# Altium PCB PCB_Amplifier_mini.PcbDoc (part 1 of 2)
Units mm, origin at the board's own origin, x right, y up, seen from the top; angles counter-clockwise.
Board outline 75.73 x 87.25 mm, 4 copper layers (Top Layer, GND, VDD, Bottom Layer); 213 components, 159 nets, 674 pads, 328 vias.
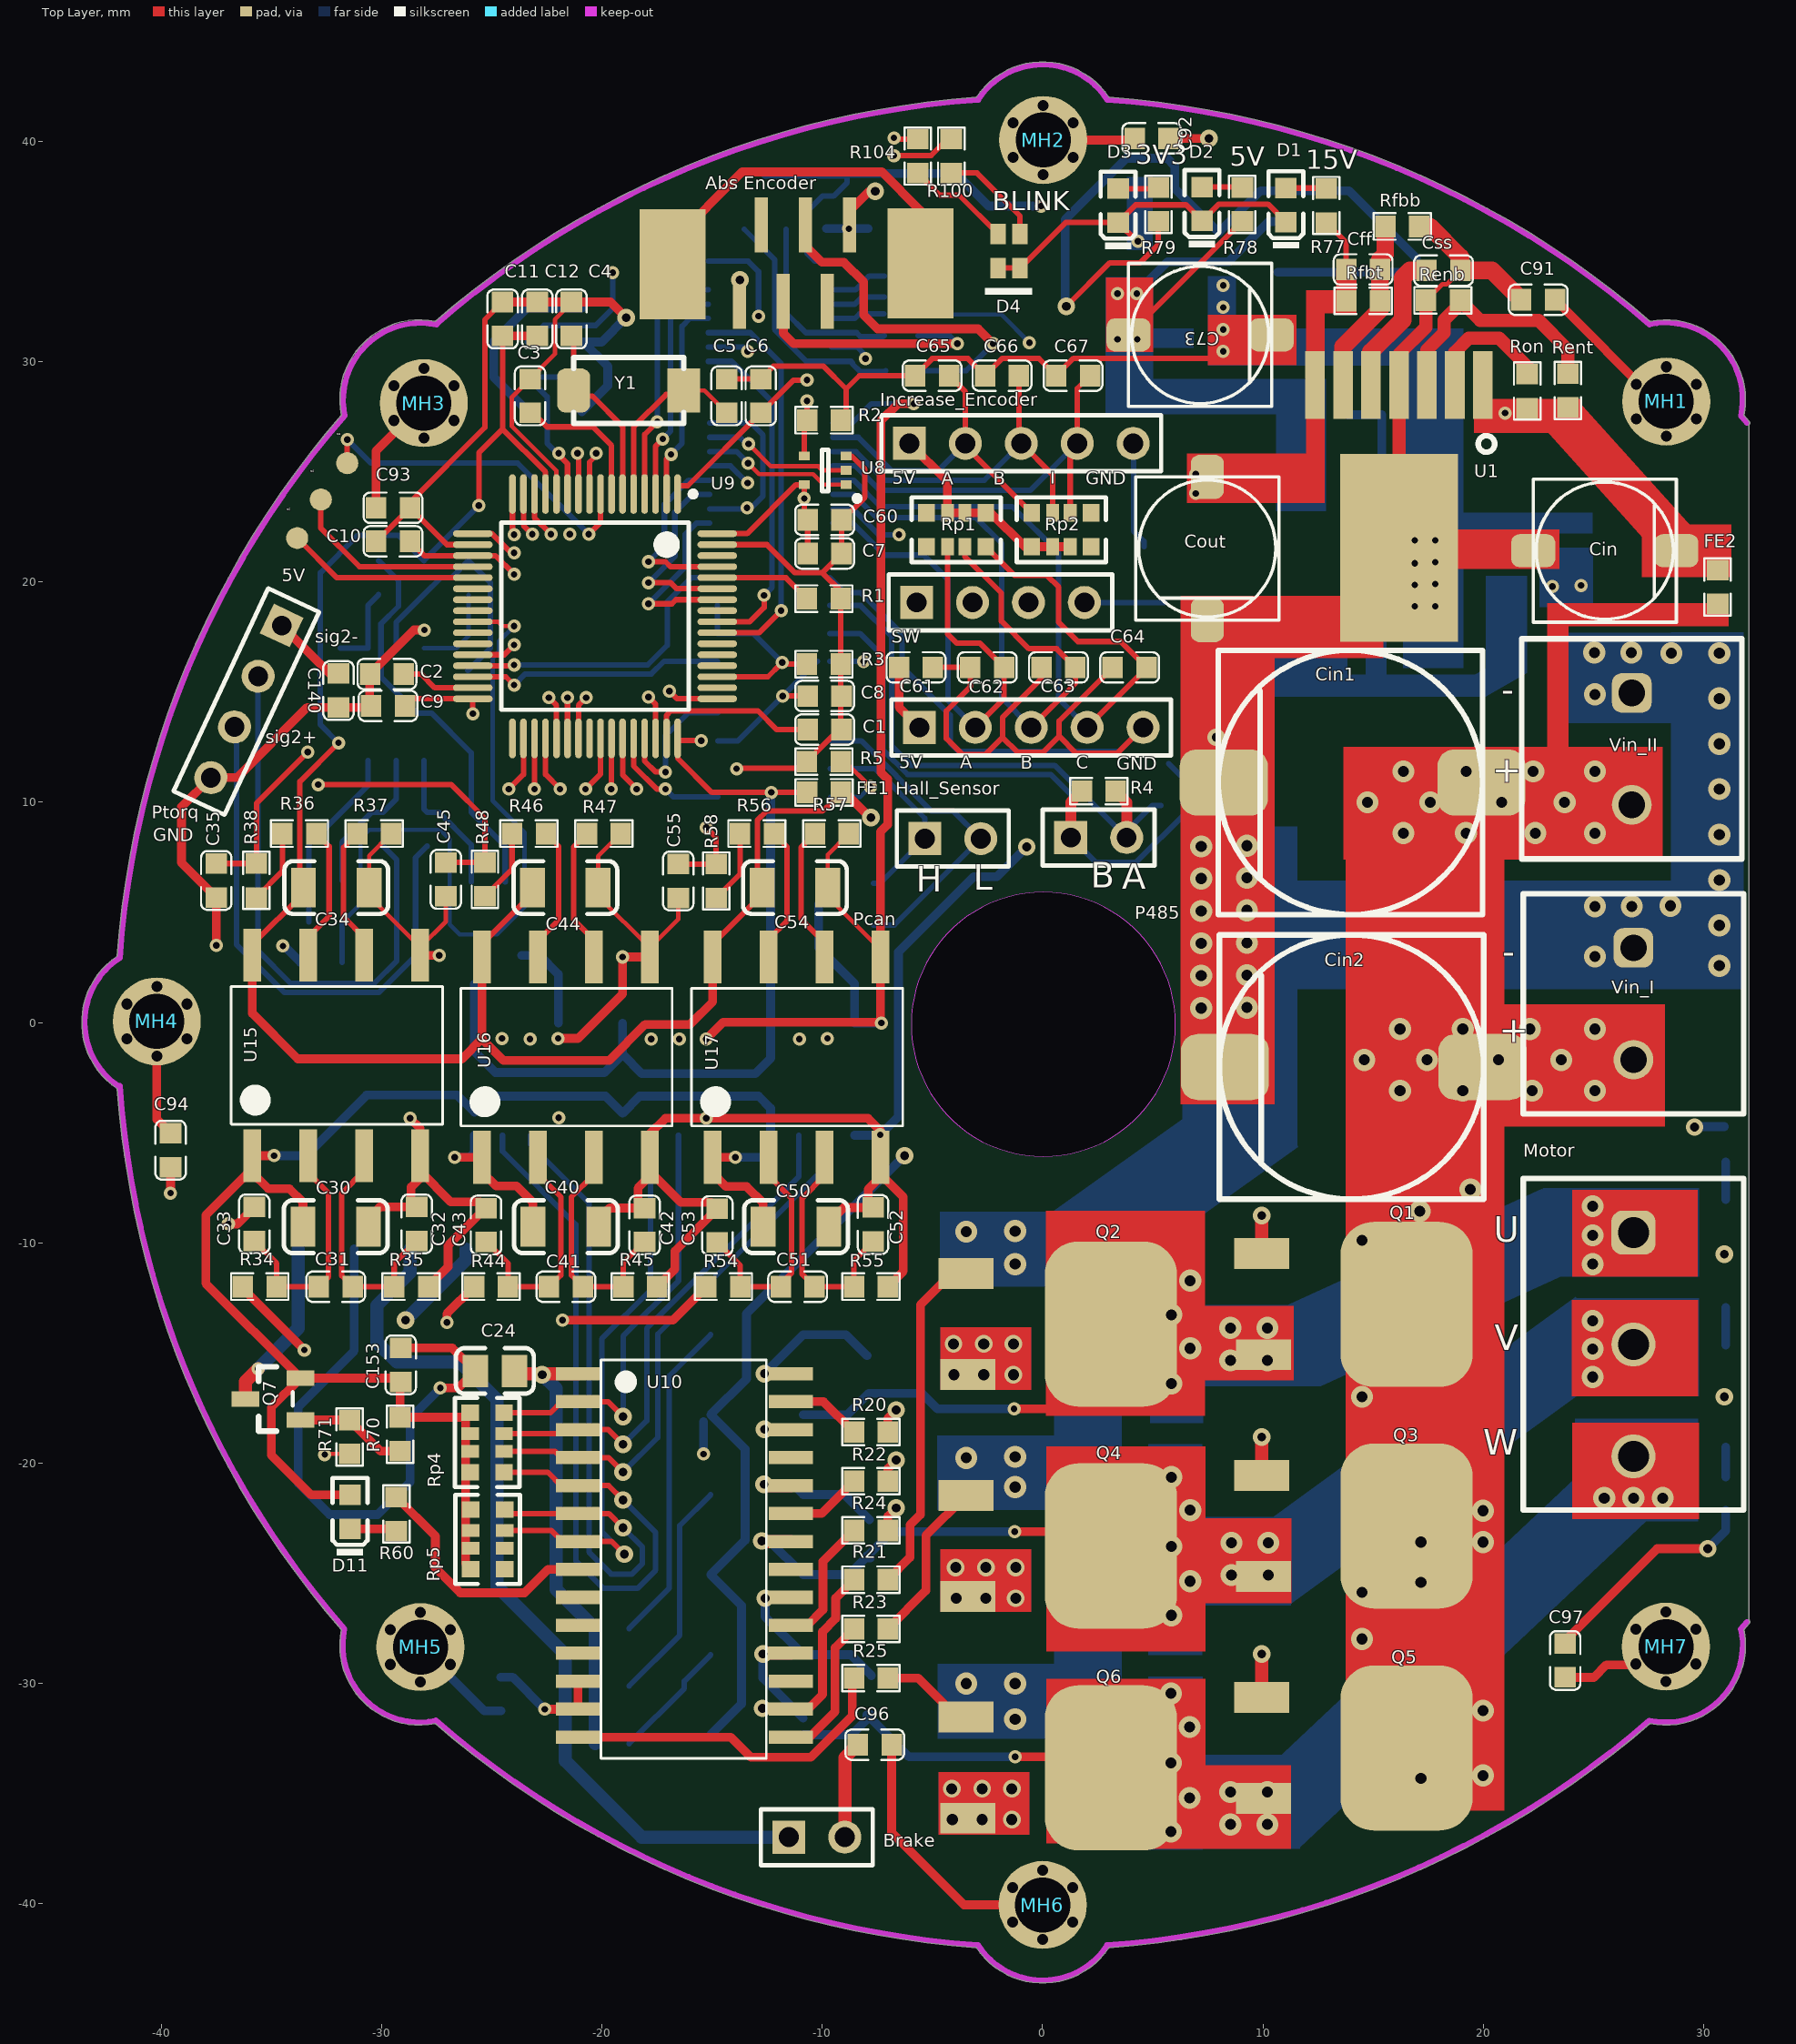
[diagram p0: Top Layer view]
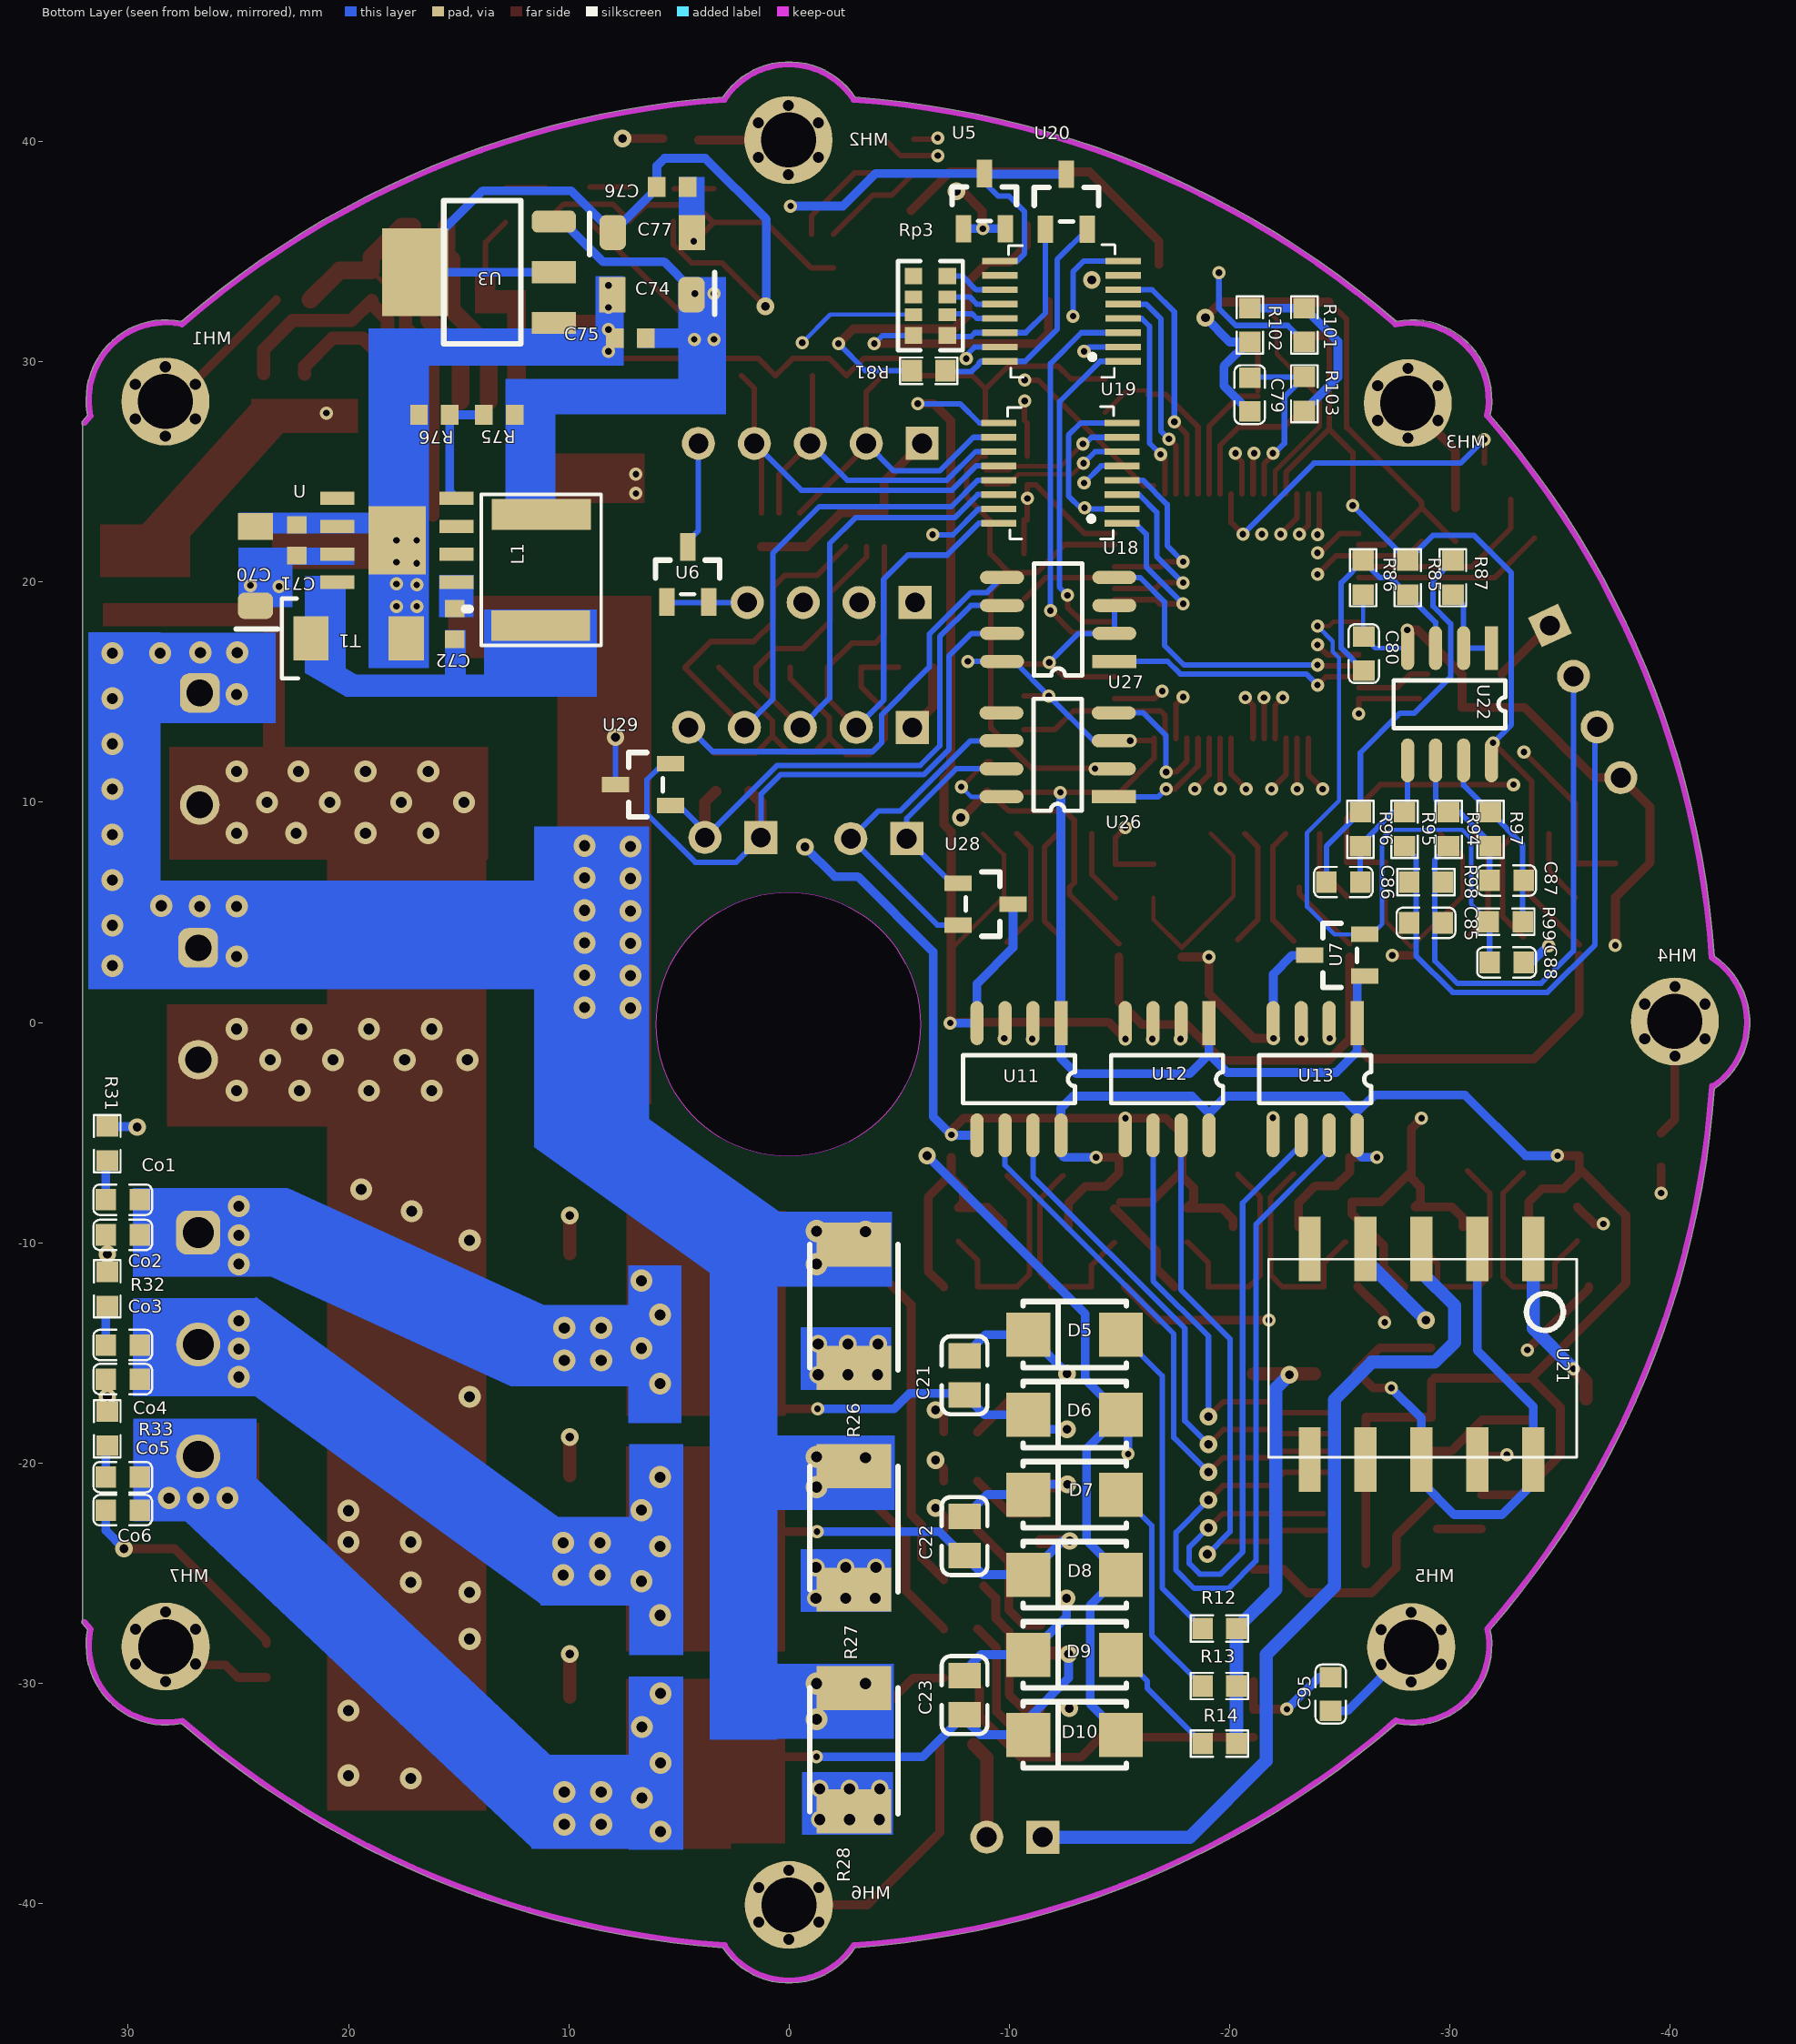
[diagram p1: Bottom Layer view, seen from below]
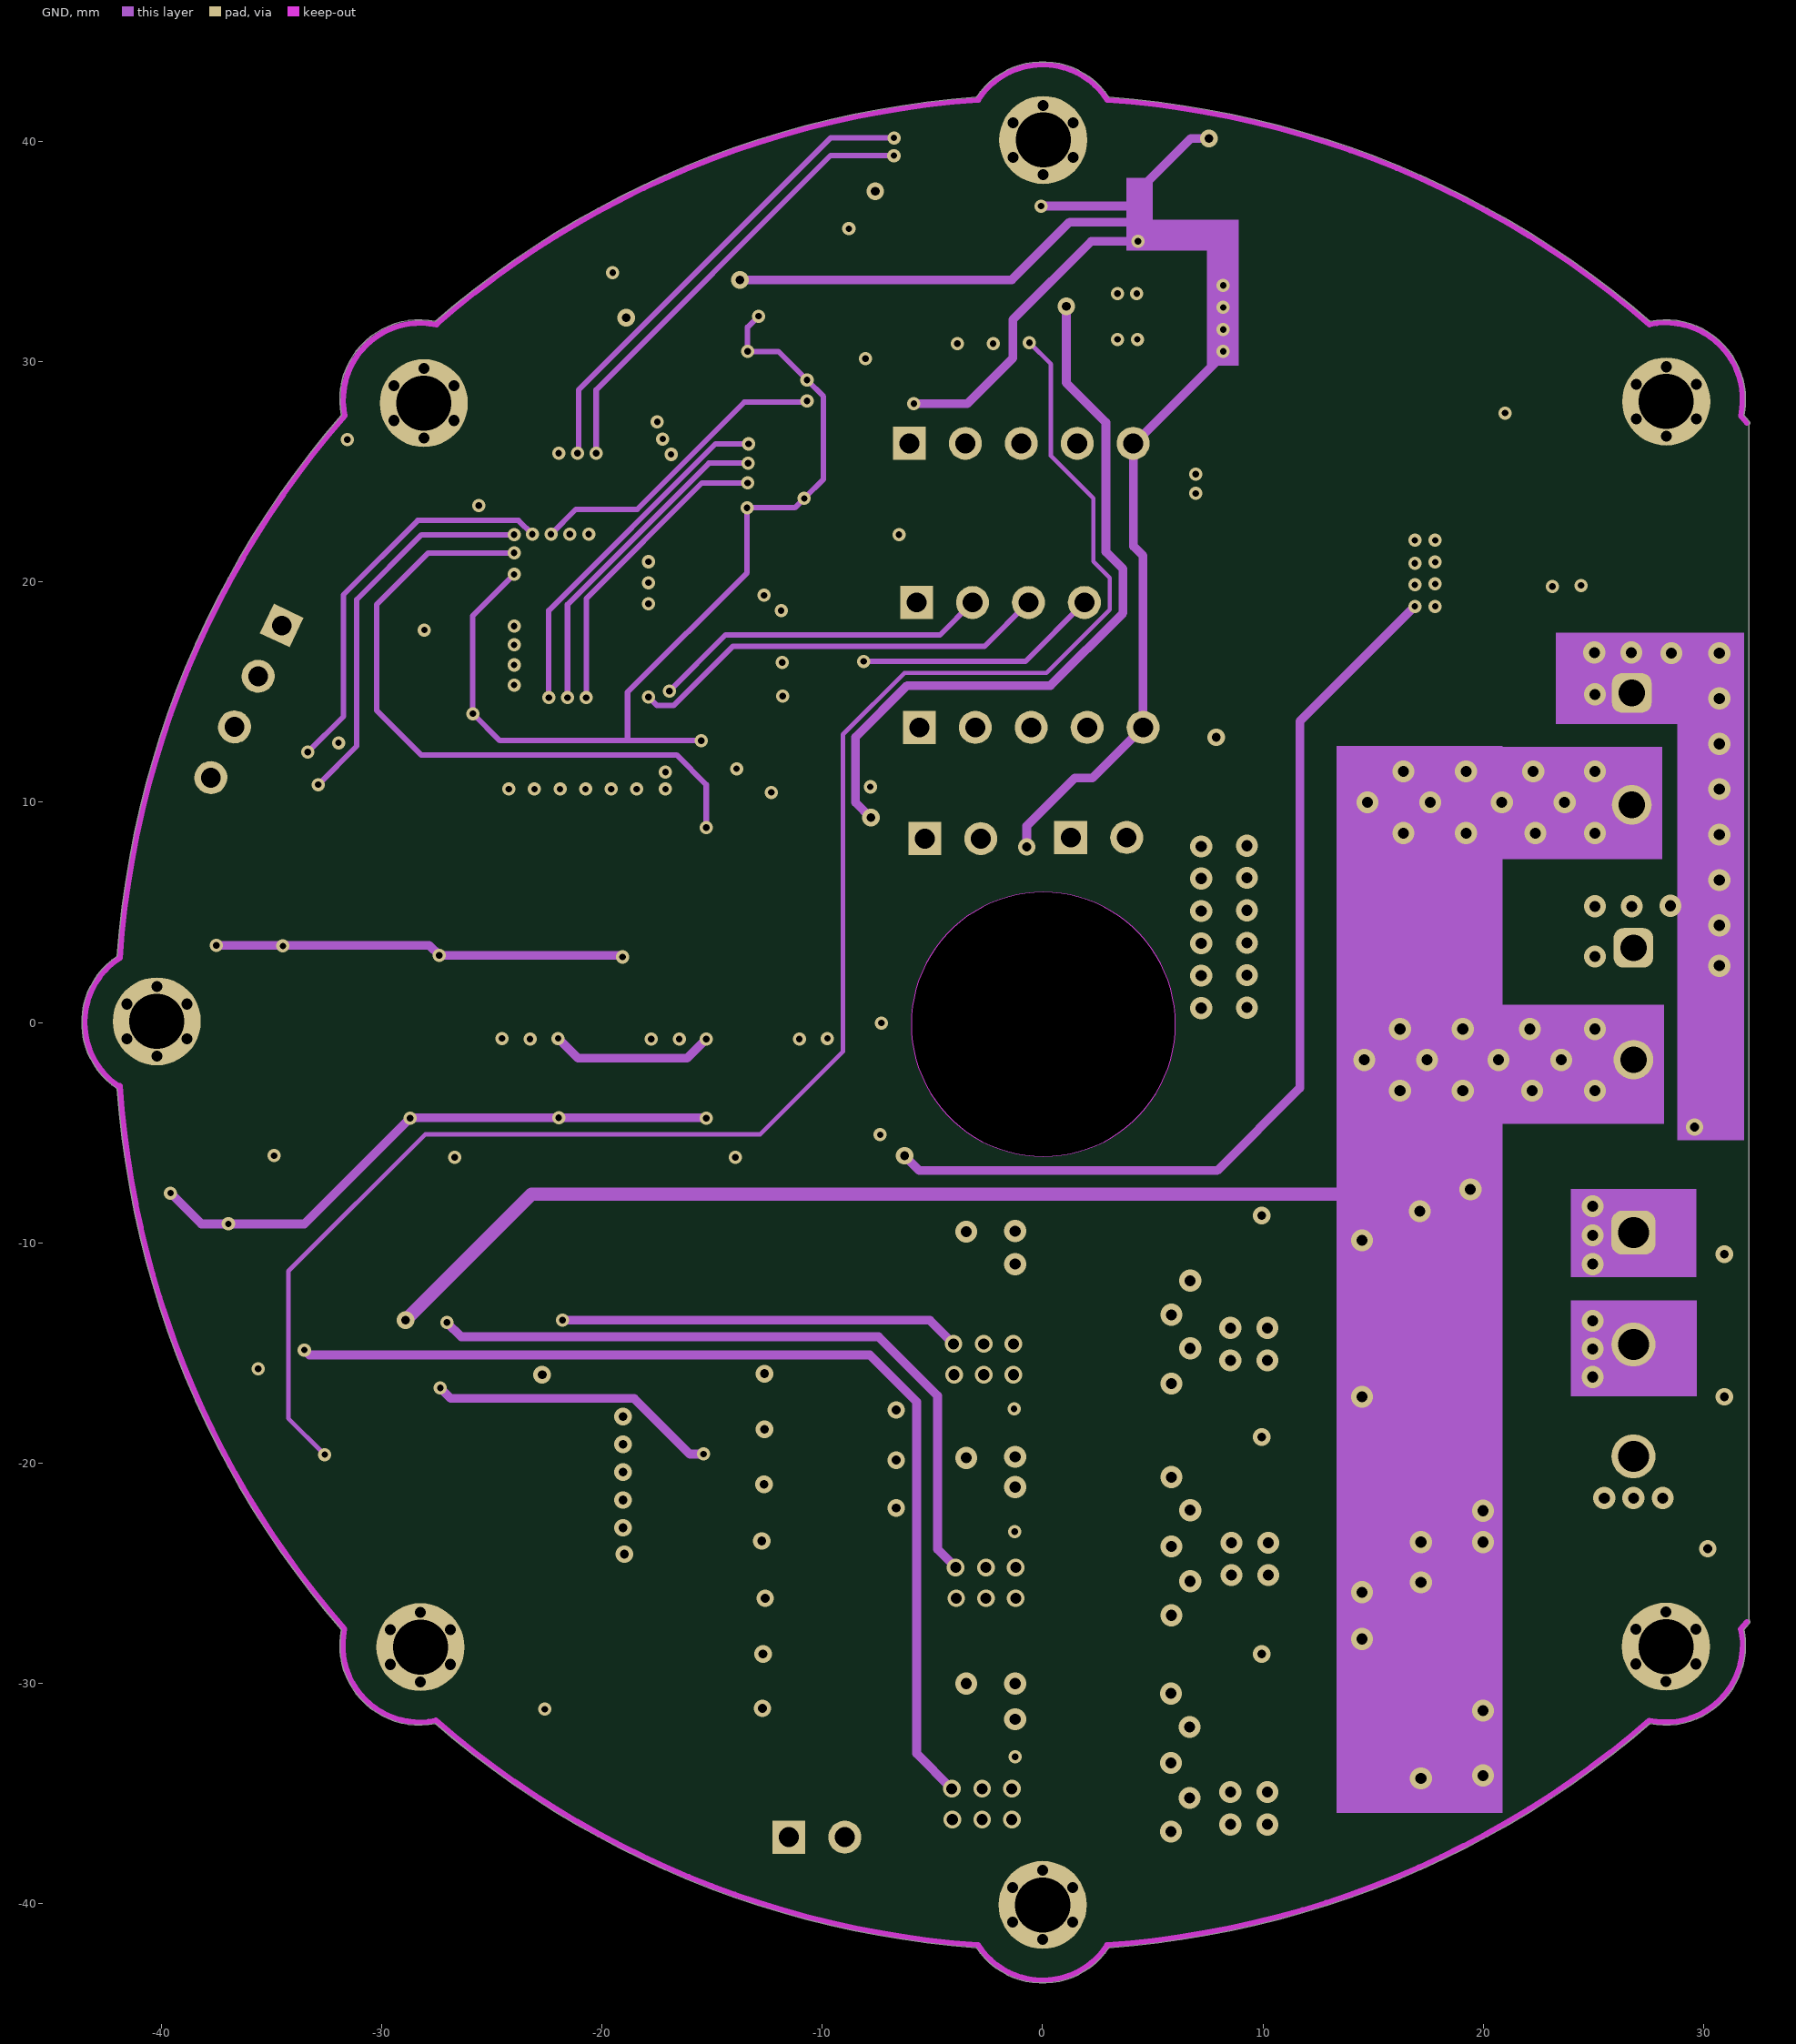
[diagram p2: GND]
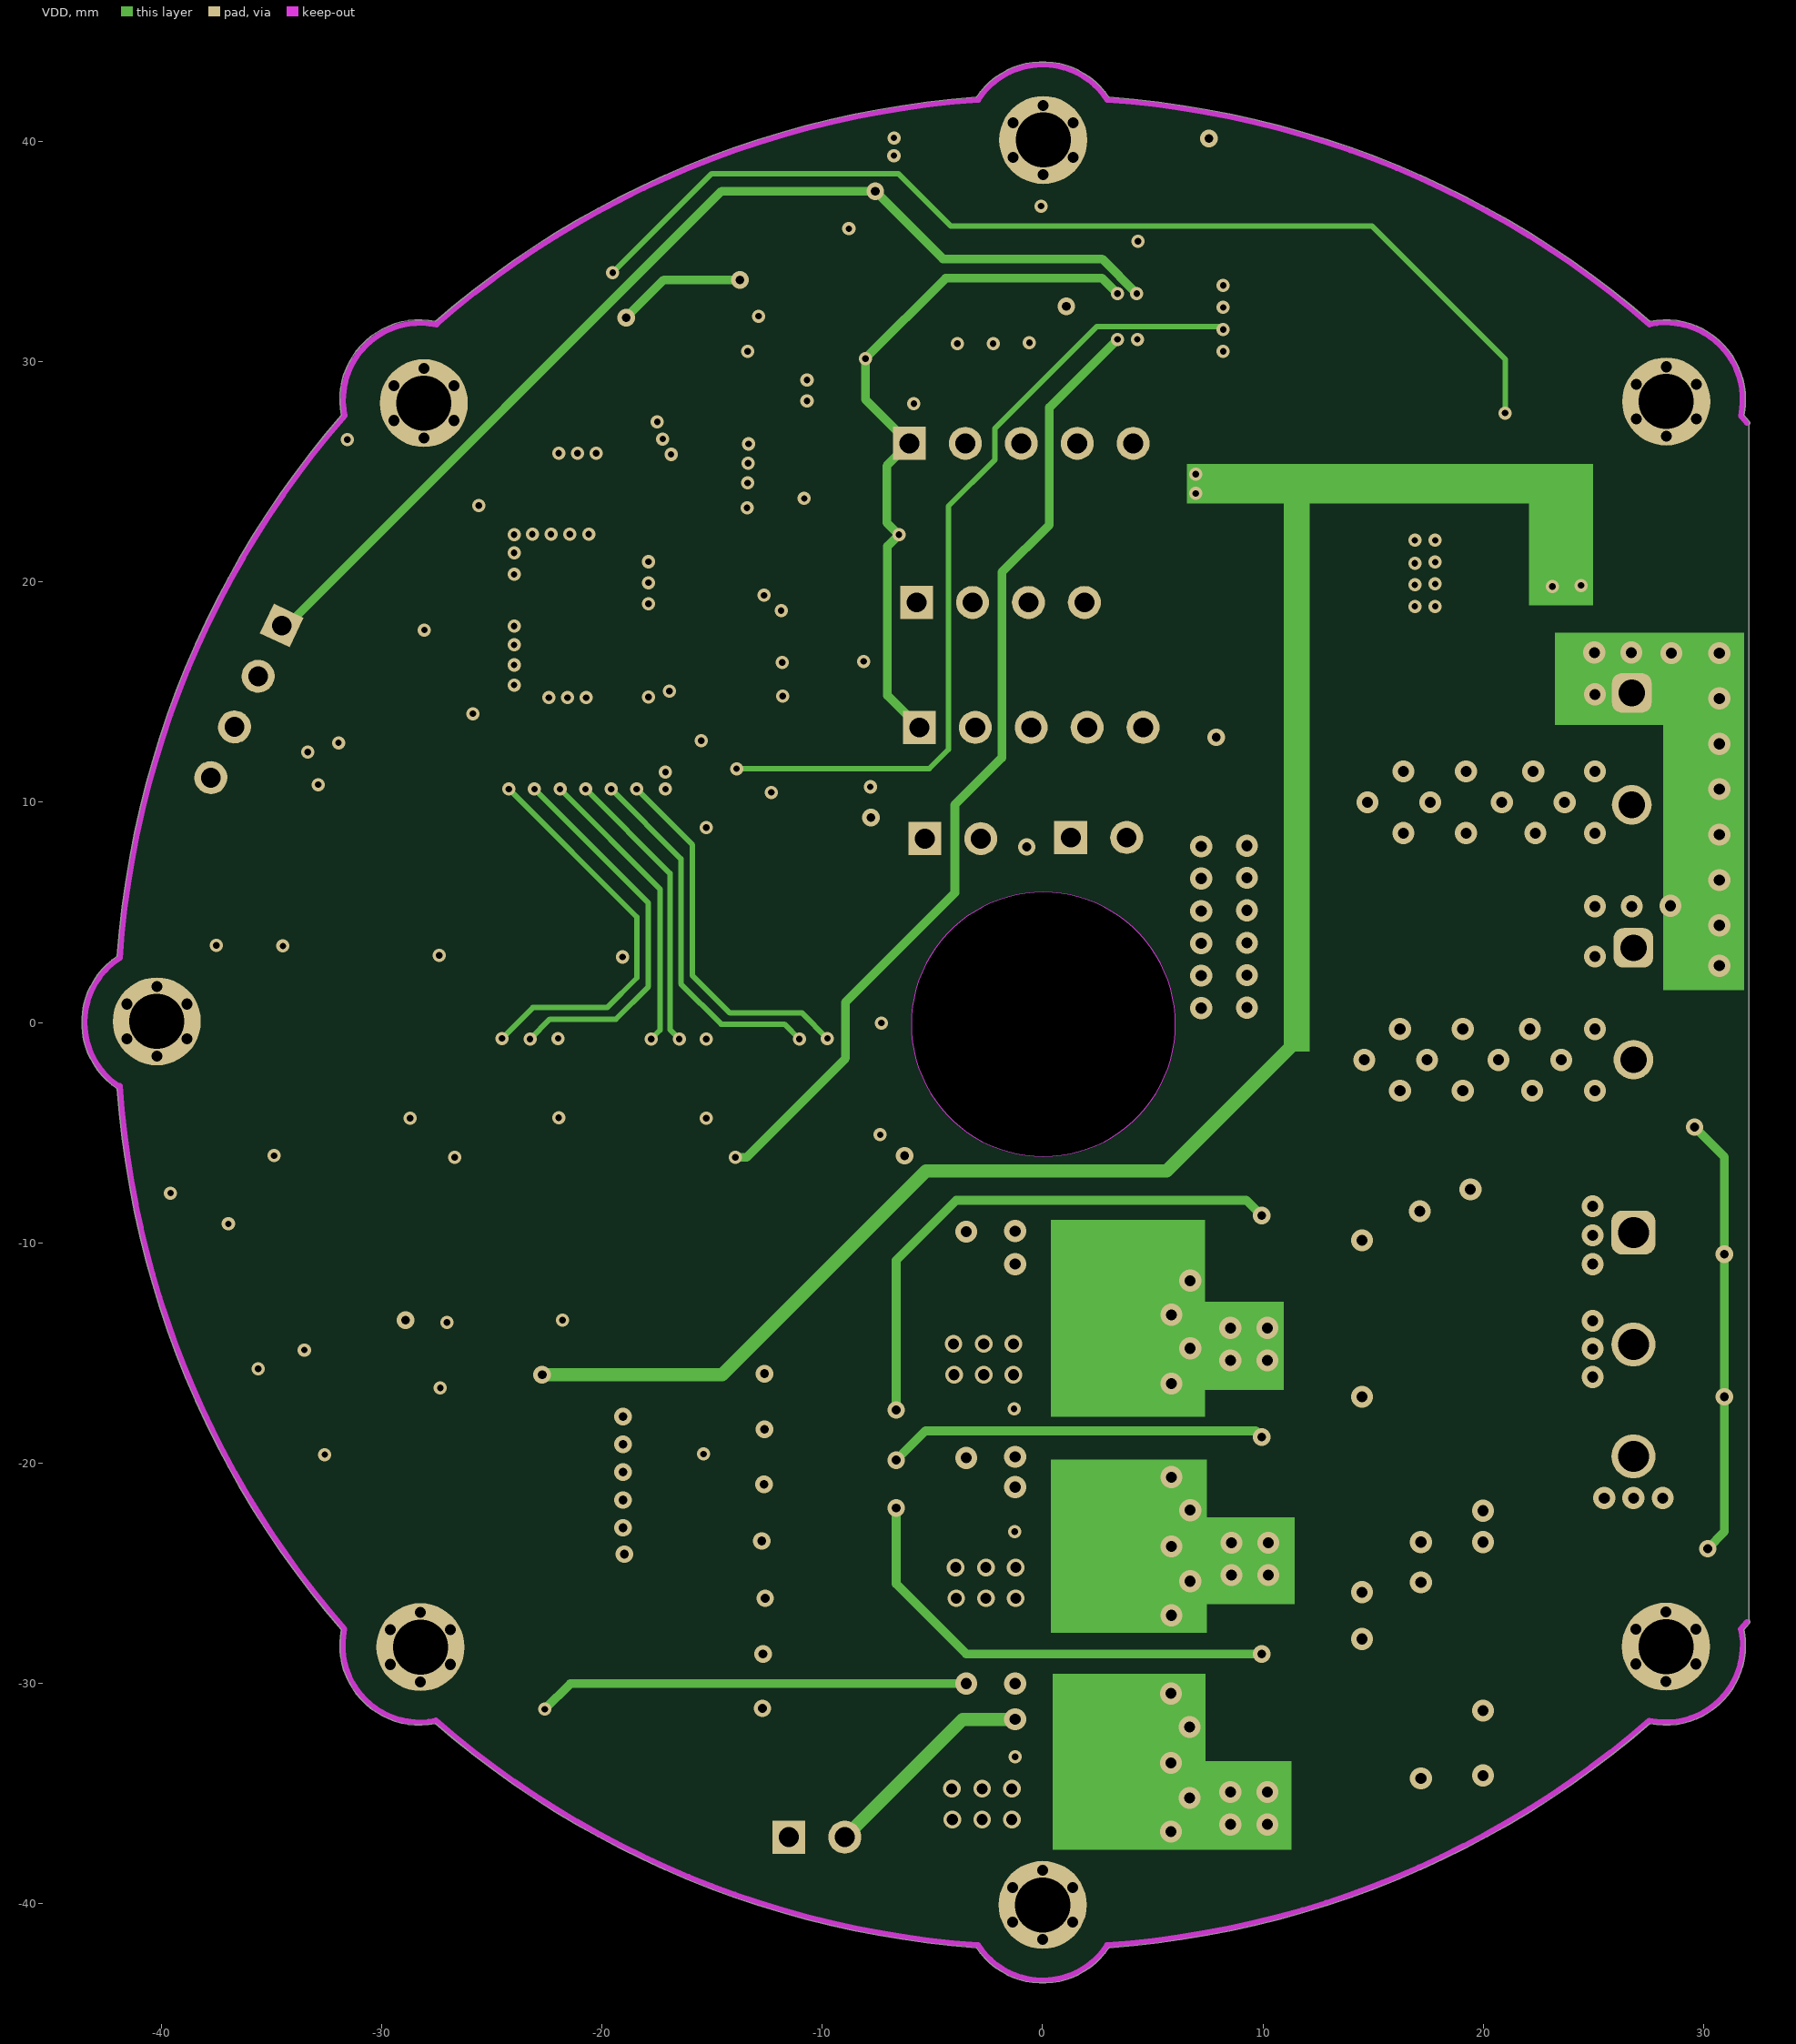
[diagram p3: VDD]

## Layer stack, top to bottom
Top Layer: signal copper 0.0356
Dielectric: core 0.32, FR-4, Dk 4.8
GND: signal copper 0.0356
Dielectric: prepreg 0.32, FR-4, Dk 4.8
VDD: signal copper 0.0356
Dielectric: core 0.32, FR-4, Dk 4.8
Bottom Layer: signal copper 0.0356

## Board outline
-31.843,-27.582 ccw(c-28.284,-28.284) -27.582,-31.843 ccw(c0,0) -3.013,-42.019 ccw(c0,-40) 3.013,-42.019 ccw(c0,0) 27.582,-31.843 ccw(c28.284,-28.284) 31.912,-28.284 ccw(c28.284,-28.284) 31.843,-27.582 ccw(c0,0) 32.077,-27.31 ccw(c31.98,-27.227) 32.107,-27.227 ccw(c31.98,-27.227) 32.078,-27.146 32.078,27.151 ccw(c31.977,27.23) 32.105,27.23 ccw(c31.977,27.23) 32.074,27.312 ccw(c0,0) 31.843,27.582 ccw(c28.284,28.284) 31.912,28.284 ccw(c28.284,28.284) 27.582,31.843 ccw(c0,0) 3.013,42.019 ccw(c0,40) -3.013,42.019 ccw(c0,0) -27.582,31.843 ccw(c-28.284,28.284) -31.843,27.582 ccw(c0,0) -42.019,3.013 ccw(c-40,0) -42.019,-3.013 ccw(c0,0)
cut-out: -5.969,-0.087 ccw(c0.031,-0.087) 0.031,-6.087 ccw(c0.031,-0.087) 6.031,-0.087 ccw(c0.031,-0.087) 0.031,5.913 ccw(c0.031,-0.087)

## Design rules (kind name [scope] priority, off if disabled: settings)
Clearance [All] p1: gap=0.16
PolygonConnect [All] p1: connectstyle=Relief reliefconductorwidth=0.254 reliefentries=4 polygonreliefangle="90 Angle" airgapwidth=0.254
RoutingVias [All] p1: holewidth=0.711 width=1.27 viastyle="Through Hole" minholewidth=0.3 minwidth=0.6 maxholewidth=0.711 maxwidth=1.27
SolderMaskExpansion [All] p1: expansion=0.102
Width [All] p1: maxlimit=4 minlimit=0.2 preferedwidth=0.25
28 further rules are at their usual default settings.

## Classes and differential pairs
component class 电源: C70 C71 C72 C73 C74 C75 C76 C77 Cff Cin Cin1 Cin2 Cout Css D1 D2 D3 FE1 FE2 L1 R75 R76 R77 R78 R79 Renb Rent Rfbb Rfbt Ron T1 U U1 U3 U5 U6 Vin_I Vin_II
component class H桥驱动部分: C21 C22 C23 C24 C30 C31 C32 C33 C34 C35 C40 C41 C42 C43 C44 C45 C50 C51 C52 C53 C54 C55 Co1 Co2 Co3 Co4 Co5 Co6 D5 D6 D7 D8 D9 D10 D11 Motor Q1 Q2 Q3 Q4 Q5 Q6 R12 R13 R14 R20 R21 R22 R23 R24 R25 R26 R27 R28 R31 R32 R33 R34 R35 R36 R37 R38 R44 R45 R46 R47 R48 R54 R55 R56 R57 R58 R60 Rp4 Rp5 U10 U11 U12 U13 U15 U16 U17
component class 主控芯片: C1 C2 C3 C4 C5 C6 C7 C8 C9 C10 C11 C12 C79 D4 R1 R2 R100 R101 R102 R103 R104 SW tp1 tp2 tp3 U8 U9 Y1
component class 通讯接口: P485 Pcan R3 R4 R5 U26 U27 U28 U29
component class 霍尔传感器以及增量编码器: C60 C61 C62 C63 C64 C65 C66 C67 C91 C92 C93 C94 C95 C96 C97 Hall_Sensor Increase_Encoder MH1 MH2 MH3 MH4 MH5 MH6 MH7 Rp1 Rp2 U18
component class 绝对编码器与抱闸: "Abs Encoder" Brake C153 Q7 R70 R71 R81 Rp3 U19 U20 U21
component class 外接力矩传感器接口: C80 C85 C86 C87 C88 C140 Ptorq R85 R86 R87 R94 R95 R96 R97 R98 R99 U7 U22
